# KiCad board virgo-keyboard-test.kicad_pcb (continued)
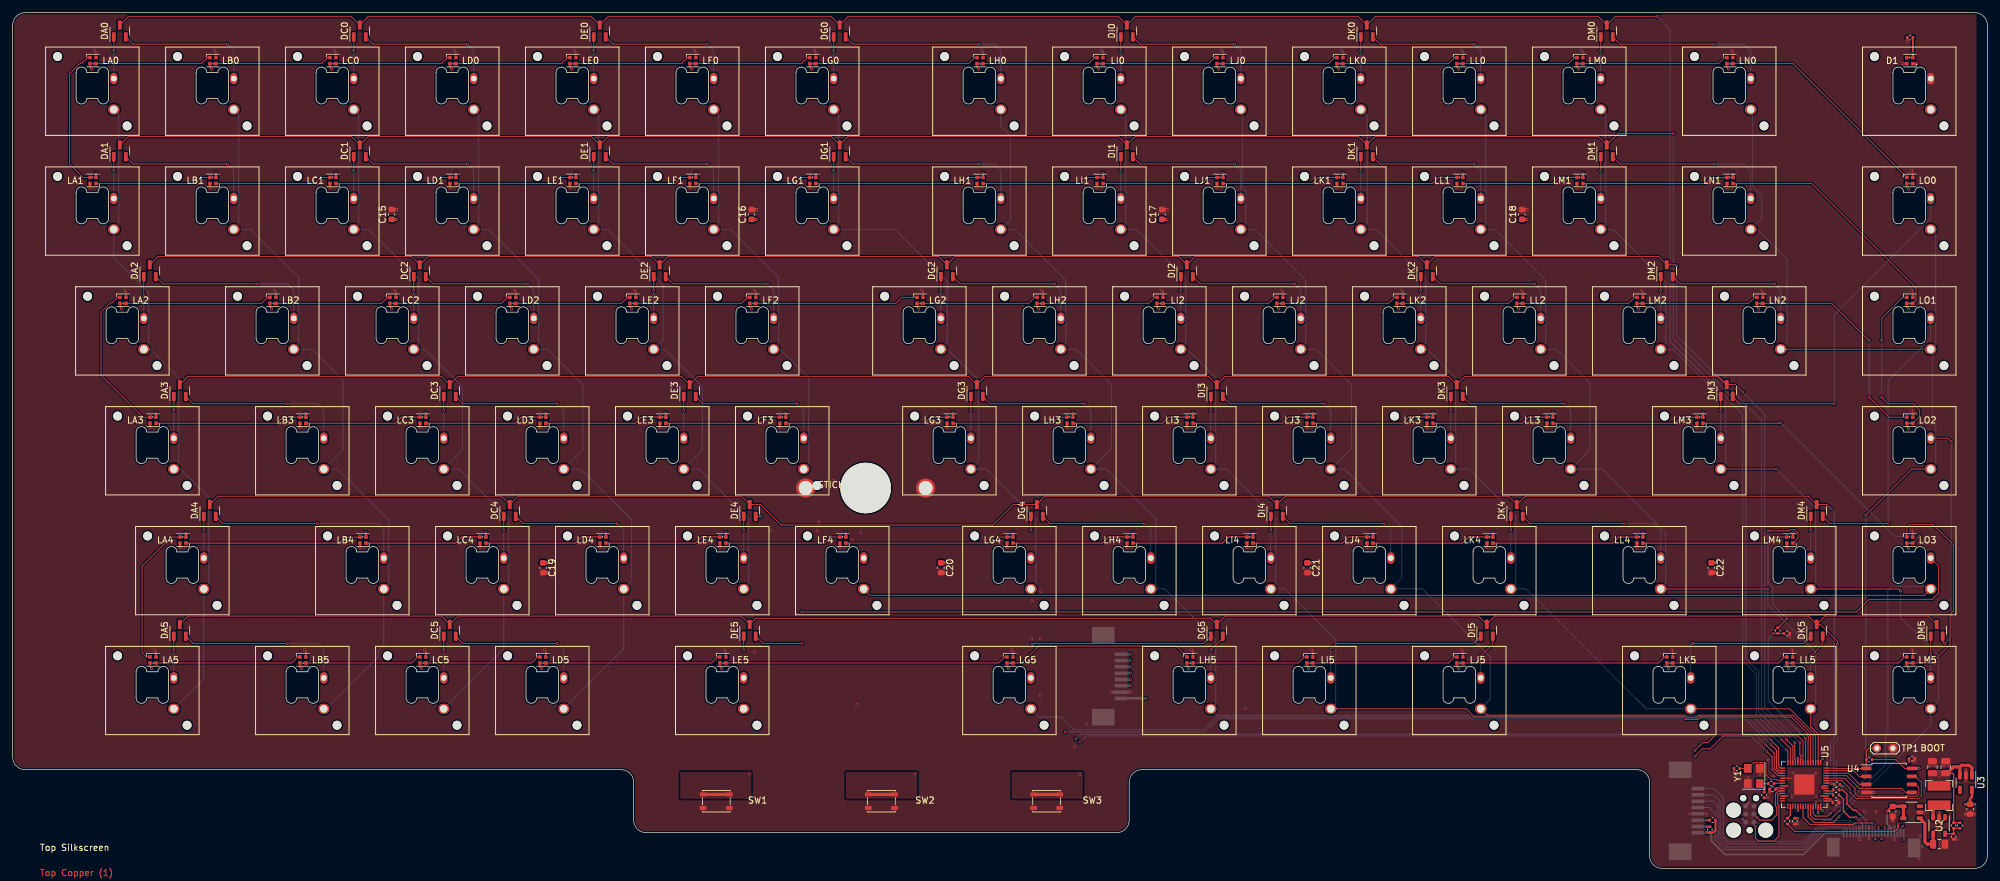
[diagram p0: board, top side]
## Routing (per net, layer and track width the routed paths; a pad name or vN(x,y) marks a point on that pad's centre or on a via; arc(x,y) is an arc through that point) (continued)
COLN: length 173.1
  Top w0.127: v2(293.47,56) 300.76,63.29 SWN5.1 ; SWN2.1 SWN4.1
  Top w0.15: v1(287.93,8.79) 287.43,8.29 285.53,8.29 285.12,8.69 U5.39
  Bottom w0.127: v2(293.47,56) 293.47,14.34 v1(287.93,8.79) ; SWN3.1 304.54,100.5 304.54,83.08 SWN4.1 304.03,82.01 304.03,70.62 304.54,70.11 304.54,64.08 SWN5.1 ; SWN0.1 275.53,120.01 275.53,108.12 277,106.65 277,103.05 SWN1.1 276.28,101.29 281,96.57 281,83.3 SWN2.1
LED: length 25
  Top w0.15: R10.1 R27.2 v1(278.83,37.24) ; v1(283.93,20.63) U5.7
  Bottom w0.15: v1(283.93,20.63) 278.01,26.55 278.01,36.43 v1(278.83,37.24)
ROW0: length 377.6
  Top w0.127: DA0.3 18.29,135 53.66,135 DC0.3 56.29,135 91.66,135 DE0.3 94.29,135 129.66,135 DG0.3 132.29,135 175.13,135 DI0.3 177.76,135 213.13,135 DK0.3 215.76,135 251.13,135 DM0.3 253.76,135 v2(260.47,135)
  Top w0.15: v1(280.12,20.39) 281.53,18.99 U5.13
  Bottom w0.127: v1(280.12,20.39) 276.11,24.41 276.11,30.81 273.97,32.95 273.97,72 262.47,83.5 262.47,133 v2(260.47,135)
ROW1: length 360.9
  Top w0.127: v2(262.97,116.5) 254.26,116.5 DM1.3 251.13,116 215.76,116 DK1.3 213.13,116 177.76,116 DI1.3 175.13,116 132.29,116 DG1.3 129.66,116 94.29,116 DE1.3 91.66,116 56.29,116 DC1.3 53.66,116 18.29,116 DA1.3
  Top w0.15: U5.12 281.93,19.39 v1(280.88,20.44)
  Bottom w0.127: v2(262.97,116.5) 262.97,84 274.47,72.5 274.47,33.2 276.51,31.16 276.51,24.81 v1(280.88,20.44)
ROW2: length 335
  Top w0.127: v2(263.47,95.5) 263.29,95.68 DM2.3 260.63,97 225.26,97 DK2.3 222.63,97 187.26,97 DI2.3 184.63,97 149.26,97 DG2.3 146.63,97 103.79,97 DE2.3 101.16,97 65.79,97 DC2.3 63.16,97 23.04,97 DA2.3
  Top w0.15: U5.11 282.33,17.24 282.23,17.34 v1(282.23,19.94)
  Bottom w0.127: v1(282.23,19.94) 276.97,25.2 276.97,71 263.47,84.5 v2(263.47,95.5)
ROW3: length 317.2
  Top w0.127: v2(273.97,75.5) 272.79,76.68 DM3.3 270.13,78 230.01,78 DK3.3 227.38,78 192.01,78 DI3.3 189.38,78 154.01,78 DG3.3 151.38,78 108.54,78 DE3.3 105.91,78 70.54,78 DC3.3 67.91,78 27.79,78 DA3.3
  Top w0.15: U5.9 283.12,17.24 283.23,17.34 283.23,17.8 283.03,18 v1(283.03,19.94)
  Bottom w0.127: v1(283.03,19.94) 277.47,25.5 277.47,72 v2(273.97,75.5)
ROW4: length 314.7
  Top w0.127: DA4.3 32.54,59 77.41,59 DC4.3 80.04,59 115.41,59 DE4.3 118.46,57.68 121.72,54.43 155.26,54.43 158.51,57.68 DG4.3 162.88,58.37 162.88,58.41 163.47,59 198.88,59 DI4.3 201.51,59 236.88,59 DK4.3 239.51,59 284.38,59 DM4.3 287.29,57.68 v2(287.97,57)
  Top w0.15: U5.40 v1(285.53,10.59)
  Bottom w0.127: v2(287.97,57) 288.47,56.5 288.47,20.56 287.91,20 287.91,17.16 288.43,16.64 288.43,12.67 286.35,10.59 v1(285.53,10.59)
ROW5: length 318.8
  Top w0.127: DK5.3 284.38,40 234.76,40 DI5.3 232.13,40 192.01,40 DG5.3 189.73,39.65 117.69,39.65 DE5.3 115.41,40 70.54,40 DC5.3 67.91,40 27.79,40 DA5.3 ; DK5.3 286.29,38.68 288.97,36 v2(288.97,35.5) ; DK5.3 287.01,40 303.38,40 DM5.3
  Top w0.15: U5.41 v1(285.93,8.79)
  Bottom w0.127: v2(288.97,35.5) 288.97,20.31 288.36,19.7 288.36,17.39 288.84,16.91 288.84,12.63 285.93,9.72 v1(285.93,8.79)
Net-(DA0-A-Pad1): length 6.6
  Top w0.127: DA0.1 v2(16.02,129.62)
  Bottom w0.127: SWA0.2 v2(16.02,129.62)
Net-(DA0-A-Pad2): length 22.4
  Top w0.127: v2(34,130.65) 19.08,130.65 DA0.2
  Bottom w0.127: v2(34,130.65) 35.02,129.62 SWB0.2
Net-(DA1-A-Pad1): length 6.6
  Top w0.127: DA1.1 v2(16.02,110.62)
  Bottom w0.127: SWA1.2 v2(16.02,110.62)
Net-(DA1-A-Pad2): length 22.4
  Top w0.127: v2(34,111.65) 19.08,111.65 DA1.2
  Bottom w0.127: SWB1.2 35.02,110.62 v2(34,111.65)
Net-(DA2-A-Pad1): length 6.6
  Top w0.127: DA2.1 v2(20.77,90.65)
  Bottom w0.127: SWA2.2 v2(20.77,90.65)
Net-(DA2-A-Pad2): length 27.2
  Top w0.127: v2(38.75,92.65) 23.83,92.65 DA2.2
  Bottom w0.127: SWB2.2 44.52,91.62 43.5,92.65 v2(38.75,92.65)
Net-(DA3-A-Pad1): length 6.6
  Top w0.127: DA3.1 v2(25.52,72.62)
  Bottom w0.127: SWA3.2 v2(25.52,72.62)
Net-(DA3-A-Pad2): length 27.2
  Top w0.127: v2(43.5,73.65) 28.58,73.65 DA3.2
  Bottom w0.127: v2(43.5,73.65) 48.25,73.65 49.27,72.62 SWB3.2
Net-(DA4-A-Pad1): length 6.6
  Top w0.127: DA4.1 v2(30.27,53.62)
  Bottom w0.127: SWA4.2 v2(30.27,53.62)
Net-(DA4-A-Pad2): length 31.9
  Top w0.127: v2(48.25,54.65) 33.33,54.65 DA4.2
  Bottom w0.127: SWB4.2 58.77,53.62 57.75,54.65 v2(48.25,54.65)
Net-(DA5-A-Pad1): length 6.6
  Top w0.127: DA5.1 v2(25.52,34.62)
  Bottom w0.127: SWA5.2 v2(25.52,34.62)
Net-(DA5-A-Pad2): length 27.2
  Top w0.127: v2(43.5,35.65) 28.58,35.65 DA5.2
  Bottom w0.127: v2(43.5,35.65) 48.25,35.65 49.27,34.62 SWB5.2
Net-(DC0-A-Pad1): length 6.6
  Top w0.127: DC0.1 v2(54.02,129.62)
  Bottom w0.127: SWC0.2 v2(54.02,129.62)
Net-(DC0-A-Pad2): length 22.4
  Top w0.127: DC0.2 57.08,130.65 v2(72,130.65)
  Bottom w0.127: v2(72,130.65) 73.03,129.62 SWD0.2
Net-(DC1-A-Pad1): length 6.6
  Top w0.127: DC1.1 v2(54.02,110.62)
  Bottom w0.127: SWC1.2 v2(54.02,110.62)
Net-(DC1-A-Pad2): length 22.4
  Top w0.127: v2(72,111.65) 57.08,111.65 DC1.2
  Bottom w0.127: SWD1.2 73.03,110.62 v2(72,111.65)
Net-(DC2-A-Pad1): length 6.6
  Top w0.127: DC2.1 v2(63.52,91.62)
  Bottom w0.127: SWC2.2 v2(63.52,91.62)
Net-(DC2-A-Pad2): length 22.4
  Top w0.127: DC2.2 66.58,92.65 v2(81.5,92.65)
  Bottom w0.127: v2(81.5,92.65) 82.53,91.62 SWD2.2
Net-(DC3-A-Pad1): length 6.6
  Top w0.127: DC3.1 v2(68.28,72.62)
  Bottom w0.127: SWC3.2 v2(68.28,72.62)
Net-(DC3-A-Pad2): length 22.4
  Top w0.127: DC3.2 71.33,73.65 v2(86.25,73.65)
  Bottom w0.127: SWD3.2 87.28,72.62 v2(86.25,73.65)
Net-(DC4-A-Pad1): length 6.6
  Top w0.127: DC4.1 v2(77.78,53.62)
  Bottom w0.127: SWC4.2 v2(77.78,53.62)
Net-(DC4-A-Pad2): length 22.4
  Top w0.127: DC4.2 80.83,54.65 v2(95.75,54.65)
  Bottom w0.127: v2(95.75,54.65) 96.78,53.62 SWD4.2
Net-(DC5-A-Pad1): length 6.6
  Top w0.127: DC5.1 v2(68.28,34.62)
  Bottom w0.127: SWC5.2 v2(68.28,34.62)
Net-(DC5-A-Pad2): length 22.4
  Top w0.127: DC5.2 71.33,35.65 v2(86.25,35.65)
  Bottom w0.127: SWD5.2 87.28,34.62 v2(86.25,35.65)
Net-(DE0-A-Pad1): length 6.6
  Top w0.127: DE0.1 v2(92.03,129.62)
  Bottom w0.127: SWE0.2 v2(92.03,129.62)
Net-(DE0-A-Pad2): length 22.4
  Top w0.127: v2(110,130.65) 95.08,130.65 DE0.2
  Bottom w0.127: v2(110,130.65) 111.03,129.62 SWF0.2
Net-(DE1-A-Pad1): length 6.6
  Top w0.127: DE1.1 v2(92.03,110.62)
  Bottom w0.127: SWE1.2 v2(92.03,110.62)
Net-(DE1-A-Pad2): length 22.4
  Top w0.127: v2(110,111.65) 95.08,111.65 DE1.2
  Bottom w0.127: SWF1.2 111.03,110.62 v2(110,111.65)
Net-(DE2-A-Pad1): length 6.6
  Top w0.127: DE2.1 v2(101.53,91.62)
  Bottom w0.127: SWE2.2 v2(101.53,91.62)
Net-(DE2-A-Pad2): length 22.4
  Top w0.127: v2(119.5,92.65) 104.58,92.65 DE2.2
  Bottom w0.127: v2(119.5,92.65) 120.53,91.62 SWF2.2
Net-(DE3-A-Pad1): length 6.6
  Top w0.127: DE3.1 v2(106.28,72.62)
  Bottom w0.127: SWE3.2 v2(106.28,72.62)
Net-(DE3-A-Pad2): length 22.4
  Top w0.127: v2(124.25,73.65) 109.33,73.65 DE3.2
  Bottom w0.127: SWF3.2 125.28,72.62 v2(124.25,73.65)
Net-(DE4-A-Pad1): length 6.6
  Top w0.127: DE4.1 v2(115.78,53.62)
  Bottom w0.127: SWE4.2 v2(115.78,53.62)
Net-(DE4-A-Pad2): length 21
  Top w0.127: v2(118.47,55.79) 117.69,55.79 DE4.2
  In1.Cu w0.127: SWF4.2 134.78,51.19 133.28,52.69 131.38,52.69 130.38,53.69 128.28,53.69 127.72,54.24 120.03,54.24 v2(118.47,55.79)
Net-(DE5-A-Pad1): length 6.6
  Top w0.127: DE5.1 v2(115.78,34.62)
  In1.Cu w0.127: SWE5.2 v2(115.78,34.62)
Net-(DE5-A-Pad2): length 200.1
  Top w0.127: v2(125,40.65) 292,40.65 294,42.65 304,42.65 305,43.65 305,47.94 SWF5.2 ; v2(125,35.65) 118.83,35.65 DE5.2
  In1.Cu w0.127: v2(125,35.65) v2(125,40.65)
Net-(DG0-A-Pad1): length 6.6
  Top w0.127: DG0.1 v2(130.03,129.62)
  Bottom w0.127: SWG0.2 v2(130.03,129.62)
Net-(DG0-A-Pad2): length 29.9
  Top w0.127: DG0.2 133.08,130.65 v2(153,130.65)
  Bottom w0.127: SWH0.2 156.5,129.62 155.47,130.65 v2(153,130.65)
Net-(DG1-A-Pad1): length 6.6
  Top w0.127: DG1.1 v2(130.03,110.62)
  Bottom w0.127: SWG1.2 v2(130.03,110.62)
Net-(DG1-A-Pad2): length 29.9
  Top w0.127: v2(153,111.65) 133.08,111.65 DG1.2
  Bottom w0.127: v2(153,111.65) 155.47,111.65 156.5,110.62 SWH1.2
Net-(DG2-A-Pad1): length 6.6
  Top w0.127: DG2.1 v2(147,91.62)
  Bottom w0.127: SWG2.2 v2(147,91.62)
Net-(DG2-A-Pad2): length 22.4
  Top w0.127: DG2.2 150.05,92.65 v2(164.97,92.65)
  Bottom w0.127: SWH2.2 166,91.62 v2(164.97,92.65)
Net-(DG3-A-Pad1): length 6.6
  Top w0.127: DG3.1 v2(151.75,72.62)
  Bottom w0.127: SWG3.2 v2(151.75,72.62)
Net-(DG3-A-Pad2): length 22.4
  Top w0.127: v2(169.72,73.65) 154.8,73.65 DG3.2
  Bottom w0.127: SWH3.2 170.75,72.62 v2(169.72,73.65)
Net-(DG4-A-Pad1): length 6.6
  Top w0.127: DG4.1 v2(161.25,53.62)
  In1.Cu w0.127: SWG4.2 v2(161.25,53.62)
Net-(DG4-A-Pad2): length 22.4
  Top w0.127: v2(179.22,54.65) 164.3,54.65 DG4.2
  Bottom w0.127: SWH4.2 180.25,53.62 v2(179.22,54.65)
Net-(DG5-A-Pad1): length 34.2
  Top w0.127: DG5.1 188.59,35.65 161.62,35.65 v2(161.47,35.5)
  In1.Cu w0.127: SWG5.2 161.25,35.27 v2(161.47,35.5)
Net-(DG5-A-Pad2): length 7.4
  Top w0.127: v2(189.75,34.62) 191.64,36.53 DG5.2
  Bottom w0.127: SWH5.2 v2(189.75,34.62)
Net-(DI0-A-Pad1): length 6.6
  Top w0.127: DI0.1 v2(175.5,129.62)
  Bottom w0.127: SWI0.2 v2(175.5,129.62)
Net-(DI0-A-Pad2): length 22.4
  Top w0.127: DI0.2 178.55,130.65 v2(193.47,130.65)
  Bottom w0.127: v2(193.47,130.65) 194.5,129.62 SWJ0.2
Net-(DI1-A-Pad1): length 6.6
  Top w0.127: DI1.1 v2(175.5,110.62)
  Bottom w0.127: SWI1.2 v2(175.5,110.62)
Net-(DI1-A-Pad2): length 22.4
  Top w0.127: v2(193.47,111.65) 178.55,111.65 DI1.2
  Bottom w0.127: v2(193.47,111.65) 194.5,110.62 SWJ1.2
Net-(DI2-A-Pad1): length 6.6
  Top w0.127: DI2.1 v2(185,91.62)
  Bottom w0.127: SWI2.2 v2(185,91.62)
Net-(DI2-A-Pad2): length 22.5
  Top w0.127: DI2.2 188.05,92.65 v2(202.97,92.65)
  Bottom w0.127: SWJ2.2 204,91.66 203,92.65 v2(202.97,92.65)
Net-(DI3-A-Pad1): length 6.6
  Top w0.127: DI3.1 v2(189.75,72.62)
  Bottom w0.127: SWI3.2 v2(189.75,72.62)
Net-(DI3-A-Pad2): length 22.4
  Top w0.127: DI3.2 192.8,73.65 v2(207.72,73.65)
  Bottom w0.127: SWJ3.2 208.75,72.62 v2(207.72,73.65)
Net-(DI4-A-Pad1): length 6.6
  Top w0.127: DI4.1 v2(199.25,53.62)
  Bottom w0.127: SWI4.2 v2(199.25,53.62)
Net-(DI4-A-Pad2): length 22.4
  Top w0.127: DI4.2 202.3,54.65 v2(217.22,54.65)
  Bottom w0.127: SWJ4.2 218.25,53.62 v2(217.22,54.65)
Net-(DI5-A-Pad1): length 29.2
  Top w0.127: DI5.1 231.34,35.65 209.65,35.65 v2(209,35)
  Bottom w0.127: v2(209,35) 208.75,34.75 SWI5.2
Net-(DI5-A-Pad2): length 7.4
  Top w0.127: v2(232.5,33.65) 234.39,35.55 DI5.2
  Bottom w0.127: SWJ5.2 v2(232.5,33.65)
Net-(DK0-A-Pad1): length 6.6
  Top w0.127: DK0.1 v2(213.5,129.62)
  Bottom w0.127: SWK0.2 v2(213.5,129.62)
Net-(DK0-A-Pad2): length 22.4
  Top w0.127: DK0.2 216.55,130.65 v2(231.47,130.65)
  Bottom w0.127: SWL0.2 232.5,129.62 v2(231.47,130.65)
Net-(DK1-A-Pad1): length 6.6
  Top w0.127: DK1.1 v2(213.5,110.62)
  Bottom w0.127: SWK1.2 v2(213.5,110.62)
Net-(DK1-A-Pad2): length 22.4
  Top w0.127: DK1.2 216.55,111.65 v2(231.47,111.65)
  Bottom w0.127: v2(231.47,111.65) 232.5,110.62 SWL1.2
Net-(DK2-A-Pad1): length 6.6
  Top w0.127: DK2.1 v2(223,91.62)
  Bottom w0.127: SWK2.2 v2(223,91.62)
Net-(DK2-A-Pad2): length 22.4
  Top w0.127: v2(240.97,92.65) 226.05,92.65 DK2.2
  Bottom w0.127: v2(240.97,92.65) 241.99,91.62 SWL2.2
Net-(DK3-A-Pad1): length 6.6
  Top w0.127: DK3.1 v2(227.75,72.62)
  Bottom w0.127: SWK3.2 v2(227.75,72.62)
Net-(DK3-A-Pad2): length 22.4
  Top w0.127: DK3.2 230.8,73.65 v2(245.72,73.65)
  Bottom w0.127: v2(245.72,73.65) 246.74,72.62 SWL3.2
Net-(DK4-A-Pad1): length 6.6
  Top w0.127: DK4.1 v2(237.25,53.62)
  Bottom w0.127: SWK4.2 v2(237.25,53.62)
Net-(DK4-A-Pad2): length 27.2
  Top w0.127: DK4.2 240.3,54.65 v2(255.22,54.65)
  Bottom w0.127: v2(255.22,54.65) 259.97,54.65 261,53.62 SWL4.2
Net-(DK5-A-Pad1): length 24.8
  Top w0.127: DK5.1 283.59,35.65 v2(266,35.65)
  Bottom w0.127: SWK5.2 265.75,35.4 v2(266,35.65)
Net-(DK5-A-Pad2): length 7.4
  Top w0.127: v2(284.75,33.65) 286.65,35.55 DK5.2
  Bottom w0.127: SWL5.2 v2(284.75,33.65)
Net-(DM0-A-Pad1): length 6.6
  Top w0.127: DM0.1 v2(251.49,129.62)
  Bottom w0.127: SWM0.2 v2(251.49,129.62)
Net-(DM0-A-Pad2): length 27.2
  Top w0.127: v2(269.47,130.65) 254.55,130.65 DM0.2
  Bottom w0.127: v2(269.47,130.65) 274.22,130.65 275.25,129.62 SWN0.2
Net-(DM1-A-Pad1): length 6.6
  Top w0.127: DM1.1 v2(251.49,110.62)
  Bottom w0.127: SWM1.2 v2(251.49,110.62)
Net-(DM1-A-Pad2): length 27.2
  Top w0.127: DM1.2 254.55,111.65 v2(269.47,111.65)
  Bottom w0.127: SWN1.2 275.25,110.62 274.22,111.65 v2(269.47,111.65)
Net-(DM2-A-Pad1): length 6.6
  Top w0.127: DM2.1 v2(261,91.62)
  Bottom w0.127: SWM2.2 v2(261,91.62)
Net-(DM2-A-Pad2): length 22.4
  Top w0.127: DM2.2 264.05,92.65 v2(278.97,92.65)
  Bottom w0.127: SWN2.2 280,91.62 v2(278.97,92.65)
Net-(DM3-A-Pad1): length 6.6
  Top w0.127: DM3.1 v2(270.5,72.62)
  Bottom w0.127: SWM3.2 v2(270.5,72.62)
Net-(DM3-A-Pad2): length 55.4
  Top w0.127: DM3.2 273.55,73.65 v2(288.47,73.65)
  Bottom w0.127: v2(288.47,73.65) 288.47,87.76 303.75,103.03 SWN3.2
Net-(DM4-A-Pad1): length 6.6
  Top w0.127: DM4.1 v2(284.75,53.62)
  Bottom w0.127: SWM4.2 v2(284.75,53.62)
Net-(DM4-A-Pad2): length 46.2
  Top w0.127: DM4.2 287.8,54.65 v2(297,54.65)
  Bottom w0.127: v2(297,54.65) 297,77.29 303.75,84.03 SWN4.2
Net-(DM5-A-Pad1): length 6.6
  Top w0.127: v2(303.75,33.91) DM5.1
  Bottom w0.127: v2(303.75,33.91) SWM5.2
Net-(DM5-A-Pad2): length 37.2
  Top w0.127: SWN5.2 306.46,68.19 v2(307,67.65) ; DM5.2 305.65,36 v2(306,35.65)
  Bottom w0.127: v2(307,67.65) 307,36.65 v2(306,35.65)
Net-(LA0-DIN): length 22.7
  Top w0.127: LA0.1 11.87,128.52 11,127.65 10.72,127.65 9,125.93 9,111.65 11.13,109.52 LA1.3
Net-(LA0-DOUT): length 18.4
  Top w0.127: LB0.1 30.87,128.52 29.92,127.57 LA0.3
Net-(LA1-DIN): length 18.4
  Top w0.127: LA1.1 28.92,108.57 29.87,109.52 LB1.3
Net-(LA2-DIN): length 24.5
  Top w0.127: LA2.1 16.62,90.52 15.75,89.65 15.47,89.65 14,88.18 14,78.15 20.63,71.52 LA3.3
Net-(LA2-DOUT): length 23.2
  Top w0.127: LA2.3 39.42,89.57 40.37,90.52 LB2.1
Net-(LA3-DIN): length 23.2
  Top w0.15: LA3.1 41.85,70.57 42.8,71.52 LB3.3
Net-(LA4-DIN): length 27.9
  Top w0.15: LB4.3 54.98,52.49 52.57,52.49 51.65,51.57 LA4.1
Net-(LA4-DOUT): length 23.2
  Top w0.127: LA5.1 21.13,33.52 20.5,34.15 20.5,47.9 25.12,52.52 LA4.3
Net-(LA5-DOUT): length 23.2
  Top w0.127: LB5.1 45.12,33.52 44.17,32.57 LA5.3
Net-(LB0-DOUT): length 18.4
  Top w0.127: LB0.3 48.92,127.57 49.87,128.52 LC0.1
Net-(LB1-DIN): length 18.4
  Top w0.127: LC1.3 48.87,109.52 47.92,108.57 LB1.1
Net-(LB2-DOUT): length 18.4
  Top w0.127: LC2.1 59.37,90.52 58.42,89.57 LB2.3
Net-(LB3-DIN): length 18.4
  Top w0.15: 64.47,71.54 61.6,71.54 60.63,70.57 LB3.1
Net-(LB4-DIN): length 18.5
  Top w0.15: LB4.1 70.13,51.57 71.1,52.54 73.97,52.54 LC4.3
Net-(LB5-DOUT): length 18.4
  Top w0.127: LB5.3 63.17,32.57 64.12,33.52 LC5.1
Net-(LC0-DOUT): length 18.4
  Top w0.127: LC0.3 67.92,127.57 68.87,128.52 LD0.1
Net-(LC1-DIN): length 18.4
  Top w0.127: LC1.1 66.92,108.57 67.87,109.52 LD1.3
Net-(LC2-DOUT): length 18.4
  Top w0.127: LD2.1 78.37,90.52 77.42,89.57 LC2.3
Net-(LC3-DIN): length 18.4
  Top w0.15: LC3.1 79.63,70.57 80.6,71.54 83.47,71.54
Net-(LC4-DIN): length 18.5
  Top w0.15: LC4.1 89.13,51.57 90.1,52.54 92.97,52.54 LD4.3
Net-(LC5-DOUT): length 18.4
  Top w0.127: LD5.1 83.12,33.52 82.17,32.57 LC5.3
Net-(LD0-DOUT): length 18.4
  Top w0.127: LD0.3 86.92,127.57 87.87,128.52 LE0.1
Net-(LD1-DIN): length 18.4
  Top w0.127: LE1.3 86.87,109.52 85.92,108.57 LD1.1
Net-(LD2-DOUT): length 18.4
  Top w0.127: LD2.3 96.42,89.57 97.37,90.52 LE2.1
Net-(LD3-DIN): length 18.4
  Top w0.15: 102.47,71.54 99.6,71.54 98.63,70.57 LD3.1
Net-(LD4-DIN): length 18.5
  Top w0.15: LD4.1 108.13,51.57 109.1,52.54 111.97,52.54 LE4.3
Net-(LD5-DOUT): length 27.9
  Top w0.127: LD5.3 110.67,32.57 111.62,33.52 LE5.1
Net-(LE0-DOUT): length 18.4
  Top w0.127: LF0.1 106.87,128.52 105.92,127.57 LE0.3
Net-(LE1-DIN): length 18.4
  Top w0.127: LF1.3 105.87,109.52 104.92,108.57 LE1.1
Net-(LE2-DOUT): length 18.4
  Top w0.127: LE2.3 115.42,89.57 116.37,90.52 LF2.1
Net-(LE3-DIN): length 18.4
  Top w0.15: 121.47,71.54 118.6,71.54 117.63,70.57 LE3.1
Net-(LE4-DIN): length 18.4
  Top w0.127: LF4.3 129.62,52.52 128.67,51.57 LE4.1
Net-(LE5-DOUT): length 44.9
  Top w0.127: LG5.1 157.09,33.52 156.14,32.57 LE5.3
Net-(LF0-DOUT): length 18.4
  Top w0.127: LG0.1 125.87,128.52 124.92,127.57 LF0.3
Net-(LF1-DIN): length 18.4
  Top w0.127: LG1.3 124.87,109.52 123.92,108.57 LF1.1
Net-(LF2-DOUT): length 25.9
  Top w0.127: LF2.3 139.89,89.57 140.84,90.52 LG2.1
Net-(LF3-DIN): length 25.9
  Top w0.15: LG3.3 145.35,71.52 144.4,70.57 LF3.1
Net-(LF4-DIN): length 25.9
  Top w0.127: LF4.1 155.14,51.57 156.09,52.52 LG4.3
Net-(LG0-DOUT): length 25.9
  Top w0.127: LG0.3 151.39,127.57 152.34,128.52 LH0.1
Net-(LG1-DIN): length 25.9
  Top w0.127: LG1.1 150.39,108.57 151.34,109.52 LH1.3
Net-(LG2-DOUT): length 18.4
  Top w0.127: LH2.1 161.84,90.52 160.89,89.57 LG2.3
Net-(LG3-DIN): length 18.4
  Top w0.127: LG3.1 164.64,70.57 165.59,71.52 LH3.3
Net-(LG4-DIN): length 18.5
  Top w0.15: LG4.1 172.6,51.57 173.57,52.54 176.44,52.54 LH4.3
Net-(LG5-DOUT): length 29.4
  Top w0.127: LG5.3 159.82,32.57 162.5,35.24 184.25,35.24 LH5.1
Net-(LH0-DOUT): length 18.4
  Top w0.127: LI0.1 171.34,128.52 170.39,127.57 LH0.3
Net-(LH1-DIN): length 18.4
  Top w0.127: LH1.1 169.39,108.57 170.34,109.52 LI1.3
Net-(LH2-DOUT): length 18.4
  Top w0.127: LI2.1 180.84,90.52 179.89,89.57 LH2.3
Net-(LH3-DIN): length 18.5
  Top w0.15: LI3.3 185.94,71.54 183.07,71.54 182.1,70.57 LH3.1
Net-(LH4-DIN): length 18.4
  Top w0.15: LH4.1 191.6,51.57 192.57,52.54 195.44,52.54
Net-(LH5-DOUT): length 18.4
  Top w0.127: LH5.3 203.64,32.57 204.59,33.52 LI5.1
Net-(LI0-DOUT): length 18.4
  Top w0.127: LI0.3 189.39,127.57 190.34,128.52 LJ0.1
Net-(LI1-DIN): length 18.4
  Top w0.127: LI1.1 188.39,108.57 189.34,109.52 LJ1.3
Net-(LI2-DOUT): length 18.4
  Top w0.127: LJ2.1 199.84,90.52 198.89,89.57 LI2.3
Net-(LI3-DIN): length 18.5
  Top w0.15: LJ3.3 204.94,71.54 202.07,71.54 201.1,70.57 LI3.1
Net-(LI4-DIN): length 18.4
  Top w0.15: 214.44,52.54 211.57,52.54 210.6,51.57 LI4.1
Net-(LI5-DOUT): length 23.2
  Top w0.127: LJ5.1 228.34,33.52 227.39,32.57 LI5.3
Net-(LJ0-DOUT): length 18.4
  Top w0.127: LK0.1 209.34,128.52 208.39,127.57 LJ0.3
Net-(LJ1-DIN): length 18.4
  Top w0.15: LJ1.1 205.85,108.57 206.82,109.54 209.69,109.54
Net-(LJ2-DOUT): length 18.4
  Top w0.127: LK2.1 218.84,90.52 217.89,89.57 LJ2.3
Net-(LJ3-DIN): length 18.5
  Top w0.15: LJ3.1 220.1,70.57 221.07,71.54 223.94,71.54 LK3.3
Net-(LJ4-DIN): length 18.4
  Top w0.15: 233.44,52.54 230.57,52.54 229.6,51.57 LJ4.1
Net-(LJ5-DOUT): length 32.7
  Top w0.127: LK5.1 261.59,33.52 260.64,32.57 LJ5.3
Net-(LK0-DOUT): length 18.4
  Top w0.127: LL0.1 228.34,128.52 227.39,127.57 LK0.3
Net-(LK1-DIN): length 18.4
  Top w0.15: LK1.1 224.85,108.57 225.82,109.54 228.69,109.54
Net-(LK2-DOUT): length 18.4
  Top w0.127: LK2.3 236.89,89.57 237.84,90.52 LL2.1
Net-(LK3-DIN): length 18.5
  Top w0.15: LL3.3 242.95,71.54 240.08,71.54 239.1,70.57 LK3.1
Net-(LK4-DIN): length 23.2
  Top w0.15: LK4.1 253.4,51.57 254.35,52.52 LL4.3
Net-(LK5-DOUT): length 18.4
  Top w0.127: LK5.3 279.64,32.57 280.59,33.52 LL5.1
Net-(LL0-DOUT): length 18.4
  Top w0.127: LL0.3 246.39,127.57 247.34,128.52 LM0.1
Net-(LL1-DIN): length 18.4
  Top w0.15: LL1.1 243.85,108.57 244.83,109.54 247.7,109.54
Net-(LL2-DOUT): length 18.4
  Top w0.127: LM2.1 256.84,90.52 255.89,89.57 LL2.3
Net-(LL3-DIN): length 23.2
  Top w0.15: LL3.1 263.25,70.57 264.2,71.52 LM3.3
Net-(LL4-DIN): length 23.2
  Top w0.15: LM4.3 278.8,52.52 277.85,51.57 258.17,51.57
Net-(LL5-DOUT): length 18.4
  Top w0.127: LL5.3 298.64,32.57 299.59,33.52 LM5.1
Net-(LM0-DOUT): length 23.2
  Top w0.127: LN0.1 271.09,128.52 270.14,127.57 248.67,127.57
Net-(LM1-DIN): length 23.2
  Top w0.15: 248.67,108.57 268.1,108.57 269.03,109.49 271.45,109.49 LN1.3
Net-(LM2-DOUT): length 18.4
  Top w0.127: 258.17,89.57 274.89,89.57 275.84,90.52 LN2.1
Net-(LM3-DIN): length 43.3
  Top w0.127: v2(302,52.65) LO3.3
  Top w0.15: v2(280,70.65) 279.92,70.57 267.67,70.57
  Bottom w0.127: v2(302,52.65) 298,52.65 v2(280,70.65)
Net-(LM4-DIN): length 24.1
  Top w0.127: v2(277.97,53.5) 281.33,53.5 281.53,53.69 282.22,53.69 282.72,53.19 282.72,52.37 LM4.1
  Top w0.15: 279.62,38.19 v1(280.98,39.54)
  Bottom w0.15: v1(280.98,39.54) 278.73,41.79 278.73,44.54 277.97,45.3 v2(277.97,53.5)
Net-(LM5-DOUT): length 33.5
  Top w0.127: LO3.1 299.97,54 300.47,54.5 304.15,54.5 307.33,51.33 307.33,40.76 306.81,40.24 306.81,35.46 303.92,32.57 LM5.3
Net-(LN0-DOUT): length 35
  Top w0.127: LO0.1 281.92,127.57 LN0.3
Net-(LN1-DIN): length 38.5
  Top w0.127: LO1.3 301.41,90.06 301.41,92.06 284.9,108.57 LN1.1
Net-(LN2-DOUT): length 35.5
  Top w0.127: 277.17,89.57 288.08,89.57 v2(294,83.65) ; LO2.1 297.13,71.52 v2(294,74.65)
  Bottom w0.127: v2(294,83.65) v2(294,74.65)
Net-(LO1-DIN): length 27.3
  Top w0.127: LO2.3 302,71.65 302,72.65 301,73.65 297,73.65 v2(296,74.65) ; LO1.1 299.31,90.52 296,87.21 v2(296,83.65)
  Bottom w0.127: v2(296,83.65) v2(296,74.65)
Net-(U5-GPIO19): length 2.1
  Top w0.2: U5.30 281.53,8.44 R7.1

## Copper pours and planes (outline as drawn; the poured copper is in the pictures)
+3V3 on In2.Cu: 268.42,18 303.23,18 303.23,13.79 313.02,13.79 313.02,-0.4 268.42,-0.4
+3V6 on Top: 303.28,15.59 303.28,12.34 306.88,12.34 306.88,15.59
+3V6 on In2.Cu: 313,0.9 -1,0.9 -1,136.65 313,136.65
GND on Top, Bottom, In1.Cu: 311,14.65 310.97,14.65 310.97,-0.25 256.32,-0.25 256.32,4.65 -1,4.65 -1,136.65 311,136.65
/LEFT on Top: 105.72,11.04 116.97,11.04 116.97,15.29 105.72,15.29
/MIDDLE on Top: 131.97,11.04 143.22,11.04 143.22,15.29 131.97,15.29
/RIGHT on Top: 158.22,11.04 169.47,11.04 169.47,15.29 158.22,15.29
/VCORE on Bottom: 288.16,14.15 288.16,13.15 286.66,11.15 286.16,11.15 285.66,11.58 279.41,12.4 279.41,12.9 280.41,14.15

## Text on the board
Bottom: Bottom Copper (4)
B.Silkscreen: INT | SCL | SDA | GND | PS2D | PS2C | 5V / DATA / RESET / RIGHT / MIDDLE / LEFT / GND / CLK | Bottom Silkscreen | pointing / stick | 8: LID | 1: 3V3 | 20 | 1 | BOOT | virgo-keyboard-test-0.2
User.Comments: Top Soldermask: TODO PUT BACK ON CORRECT LAYER AFTER KICAD BUG FIXED | Bottom Soldermask: TODO PUT BACK ON CORRECT LAYER AFTER KICAD BUG FIXED | Prepreg: 3313 or 2113 | Core: as required for thickness | virgo-keyboard-test Rev 0.2 / Board must be RoHS compliant / Fabricate to IPC-A-600 Class II / Material: Shengyi S1000-2 or any FR4 Tg > 150 C / Inner copper 1 or 1/2 oz / Outer copper, min 33.4 um finished / Black LPI solder mask over bare copper / Vendor may remove solder mask from via holes, / maximum of drill size + 3 mil / Finish: OSP / Silkscreen: white non conductive / 100% electrical test required / Remove all unused pads from inner layers / All layers positive / Overall thickness: 0.6 mm +- 10 % | TODO: TRACKPAD HAS TO PLUG IN UPSIDE DOWN
Top: Top Copper (1)
F.Fab: Fiducial
F.Silkscreen: Top Silkscreen | BOOT
In1.Cu: Inner Copper (2)
In2.Cu: Inner Copper (3)
